# Altium PCB SectionD_v1.0.PcbDoc
Units mm, origin at the board's own origin, x right, y up, seen from the top; angles counter-clockwise.
Board outline 90.5 x 100 mm, 2 copper layers (Top Layer, Bottom Layer), stack 1.569 mm thick; 80 components, 93 nets, 364 pads, 110 vias.
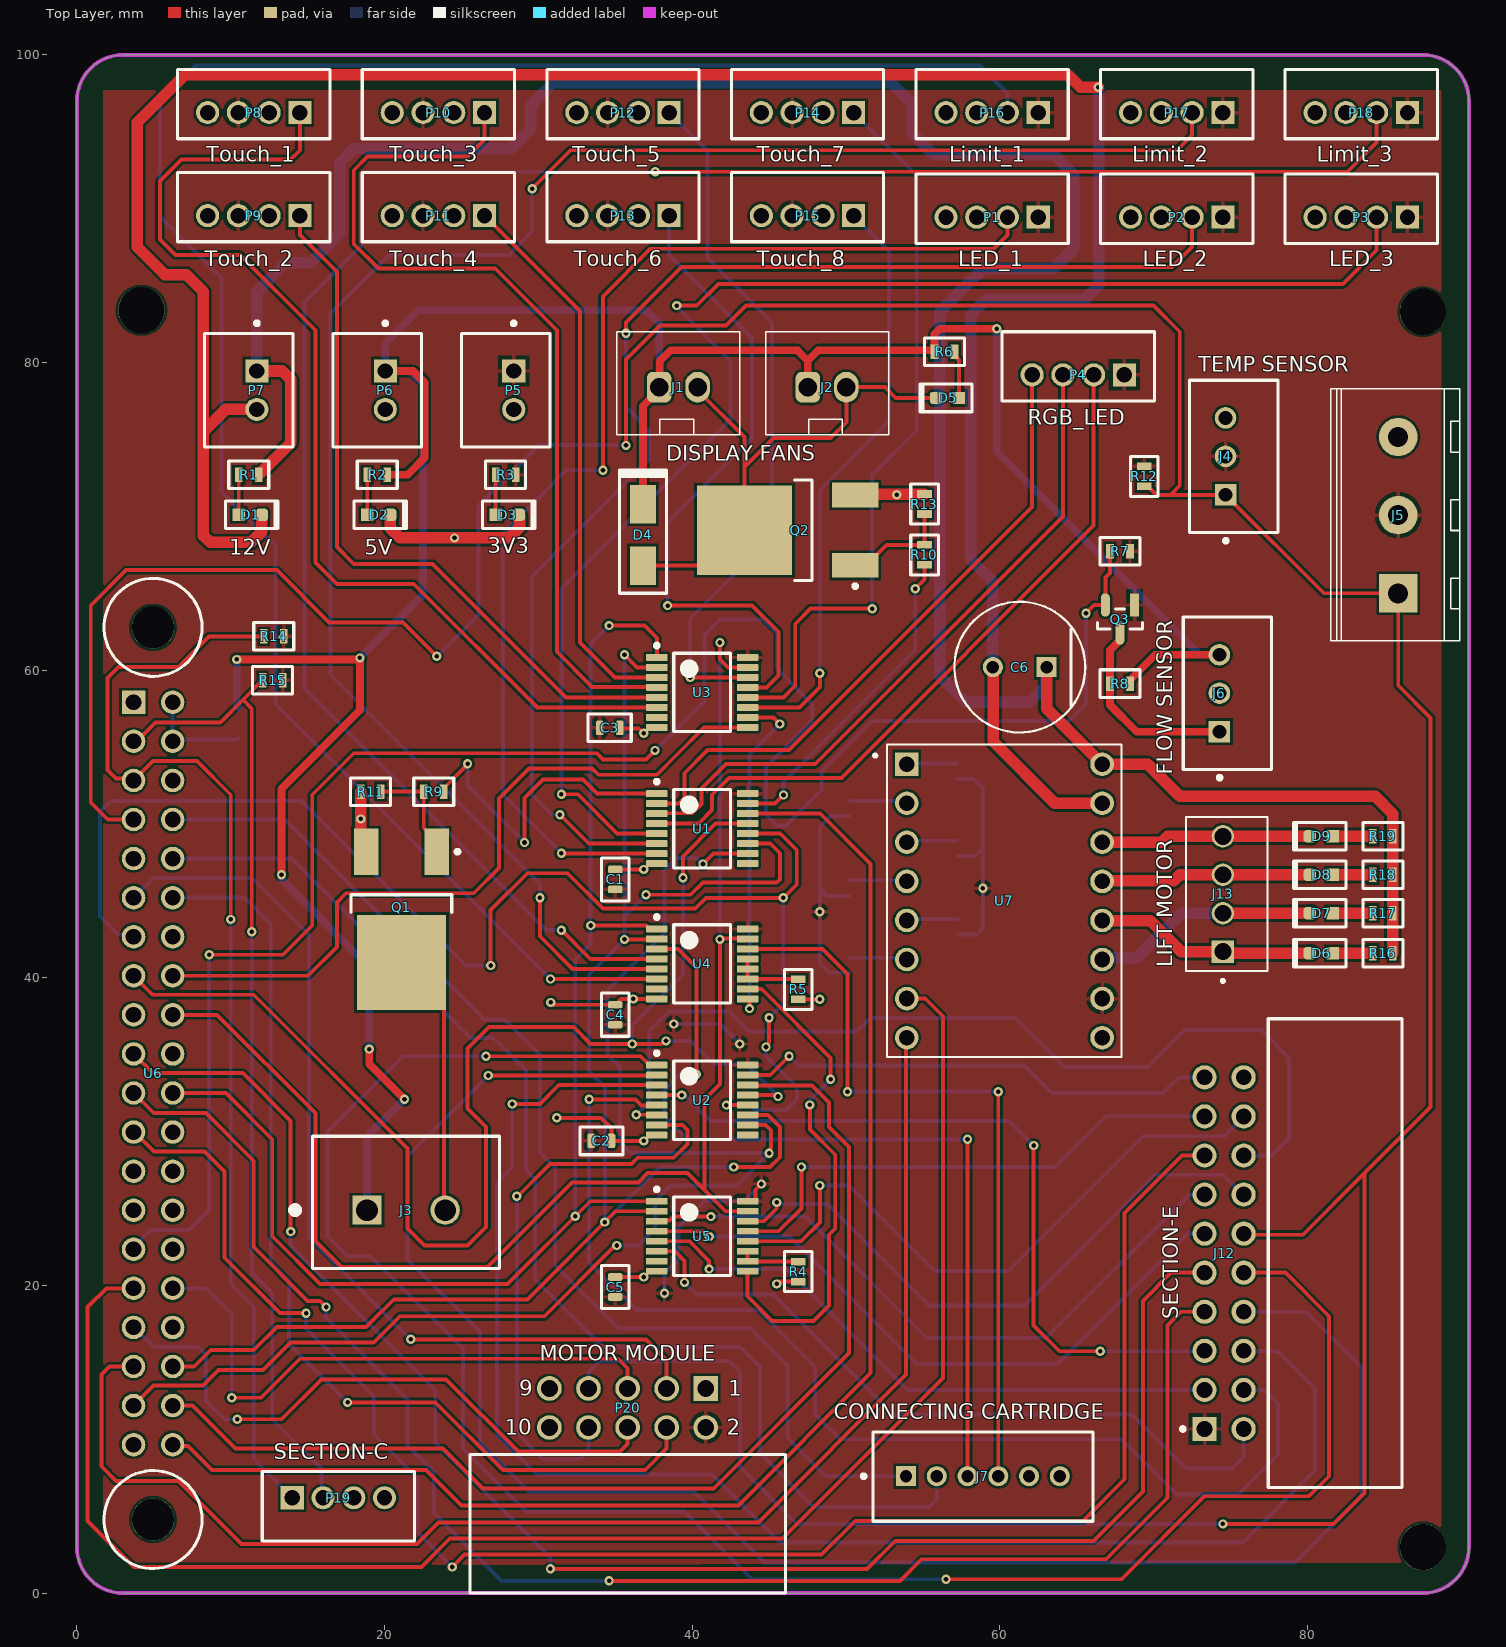
[diagram p0: Top Layer view]
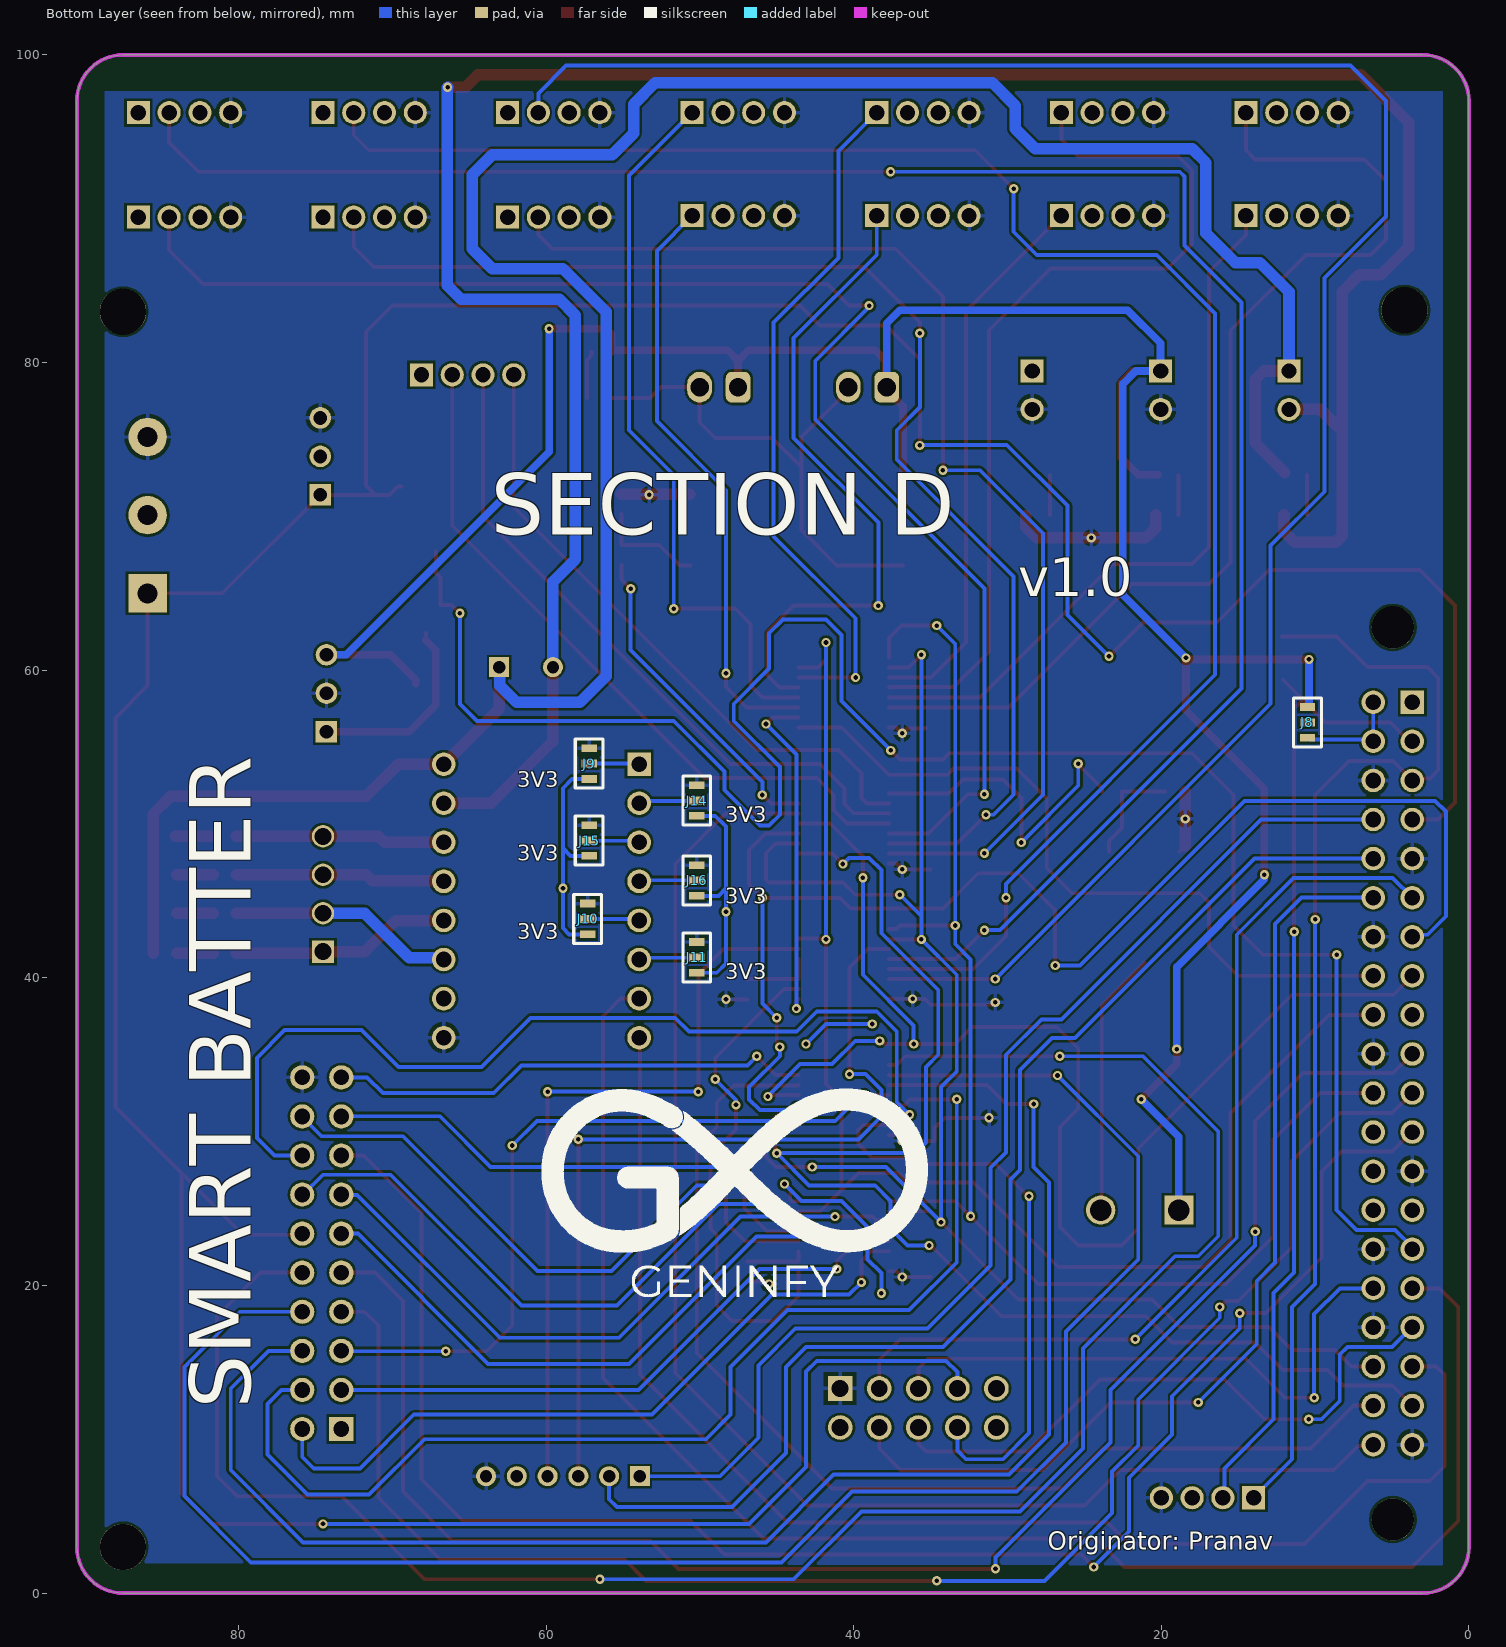
[diagram p1: Bottom Layer view, seen from below]

## Layer stack, top to bottom
Top Solder: solder mask 0.0254, SM-001, Dk 4
Top Layer: signal copper 0.035
Dielectric 1: core 1.4986, Core-043, Dk 4.3
Bottom Layer: signal copper 0.035
Bottom Solder: solder mask 0.0254, SM-001, Dk 4

## Board outline
0,3 0,97 cw(c3,97) 3,100 87.5,100 cw(c87.5,97) 90.5,97 90.5,3 cw(c87.5,3) 87.5,0 3,0 cw(c3,3)

## Design rules (kind name [scope] priority, off if disabled: settings)
Clearance [All] p1: gap=0.16 ignorepadtopadclearanceinfootprint=FALSE
HoleSize [All] p1: absolutevalues=TRUE maxlimit=4 minlimit=0.025 maxpercent=80.000 minpercent=20.000
MinimumSolderMaskSliver [All] p1: minsoldermaskwidth=0.16
PolygonConnect [All] p1: connectstyle=Relief reliefconductorwidth=0.254 reliefentries=4 polygonreliefangle="90 Angle" airgapwidth=0.254
RoutingVias [All] p1: holewidth=0.711 width=1.27 viastyle="Through Hole" minholewidth=0.711 minwidth=1.27 maxholewidth=0.711 maxwidth=1.27
SilkToSilkClearance [All] p1: silktosilkclearance=0.16
SilkToSolderMaskClearance [IsPad] p1: minsilkscreentomaskgap=0.16 clearancetoexposedcopper=TRUE
SolderMaskExpansion [All] p1: expansion=0.102 istentingtop=FALSE
Width [All] p1: maxlimit=2 minlimit=0.16 preferedwidth=0.254
26 further rules are at their usual default settings.

## Components (designator, comment, footprint, x,y, rotation, side; value= is the part's Value field where it differs from the comment)
C1 "0.1uF" "0.1uF 0603" 35,46.4 r270 top
C2 "0.1uF" "0.1uF 0603" 34.1,29.4 r180 top
C3 "0.1uF" "0.1uF 0603" 34.639,56.25 r180 top
C4 "0.1uF" "0.1uF 0603" 35,37.6 r270 top
C5 "0.1uF" "0.1uF 0603" 35,19.9 r270 top
C6 "EEU-FC1V221L" FP-EEU-FC1V221L-MFG 61.3,60.2 r180 top value=220uF
D1 "LED - Orange" LED0603-Orange 11.275,70.1 r180 top
D2 "LED - Orange" LED0603-Orange 19.625,70.1 r180 top
D3 "LED - Orange" LED0603-Orange 27.975,70.1 r180 top
D4 "1N4007" "M7 1N4007 SMA" 36.8,68.8 r90 top
D5 "LED - Orange" LED0603-Orange 56.6,77.7 r0 top
D6 "LED - Orange" LED0603-Orange 80.9,41.6 r0 top
D7 "LED - Orange" LED0603-Orange 80.9,44.2 r0 top
D8 "LED - Orange" LED0603-Orange 80.9,46.7 r0 top
D9 "LED - Orange" LED0603-Orange 80.9,49.2 r0 top
J1 "JST-XH 2P" "JST-XH 2P" 39.1,78.4 r180 top
J2 "JST-XH 2P" "JST-XH 2P" 48.771,78.4 r180 top
J3 "1755736" PHOE-1755736-2_V 21.4,24.9 r0 top
J4 "B3B-XH-A(LF)(SN)" FP-B3B-XH-A_LF_SN-MFG 75.2,73.9 r90 top
J5 "Screw Terminal" "Screw Terminal 3P 5.08MM" 85.9,70.08 r90 top
J6 "B3B-XH-A(LF)(SN)" FP-B3B-XH-A_LF_SN-MFG 74.8,58.5 r90 top
J7 "1735446-6" FP-1735446-6-MFG 58.9,7.57 r180 top
J8 "Solder Jumper" "SOLDER JUMPER" 10.5,56.6 r90 bottom
J9 "Solder Jumper" "SOLDER JUMPER" 57.2,53.927 r90 bottom
J10 "Solder Jumper" "SOLDER JUMPER" 57.3,43.827 r90 bottom
J11 "Solder Jumper" "SOLDER JUMPER" 50.2,41.327 r90 bottom
J12 "SFH11-PBPC-D10-RA-BK" FP-SFH11-PBPC-D10-RA-BK-MFG 81.7,22.1 r90 top
J13 "172732-4" TE_172732-4 74.5,41.7 r270 top
J14 "Solder Jumper" "SOLDER JUMPER" 50.2,51.527 r90 bottom
J15 "Solder Jumper" "SOLDER JUMPER" 57.2,48.927 r90 bottom
J16 "Solder Jumper" "SOLDER JUMPER" 50.2,46.327 r90 bottom
P1 "B4B-PH-K-S(LF)(SN)" JST-B4B-PH-K-S_V 59.5,90 r180 top
P2 "B4B-PH-K-S(LF)(SN)" JST-B4B-PH-K-S_V 71.5,90 r180 top
P3 "B4B-PH-K-S(LF)(SN)" JST-B4B-PH-K-S_V 83.5,90 r180 top
P4 "B4B-PH-K-S(LF)(SN)" JST-B4B-PH-K-S_V 65.1,79.75 r180 top
P5 "B2B-XH-A(LF)(SN)" JST-B2B-XH-A_V 28.4,78.2 r270 top
P6 "B2B-XH-A(LF)(SN)" JST-B2B-XH-A_V 20.05,78.2 r270 top
P7 "B2B-XH-A(LF)(SN)" JST-B2B-XH-A_V 11.7,78.2 r270 top
P8 "B4B-PH-K-S(LF)(SN)" JST-B4B-PH-K-S_V 11.5,96.8 r180 top
P9 "B4B-PH-K-S(LF)(SN)" JST-B4B-PH-K-S_V 11.5,90.1 r180 top
P10 "B4B-PH-K-S(LF)(SN)" JST-B4B-PH-K-S_V 23.5,96.8 r180 top
P11 "B4B-PH-K-S(LF)(SN)" JST-B4B-PH-K-S_V 23.5,90.1 r180 top
P12 "B4B-PH-K-S(LF)(SN)" JST-B4B-PH-K-S_V 35.5,96.8 r180 top
P13 "B4B-PH-K-S(LF)(SN)" JST-B4B-PH-K-S_V 35.5,90.1 r180 top
P14 "B4B-PH-K-S(LF)(SN)" JST-B4B-PH-K-S_V 47.5,96.8 r180 top
P15 "B4B-PH-K-S(LF)(SN)" JST-B4B-PH-K-S_V 47.5,90.1 r180 top
P16 "B4B-PH-K-S(LF)(SN)" JST-B4B-PH-K-S_V 59.5,96.8 r180 top
P17 "B4B-PH-K-S(LF)(SN)" JST-B4B-PH-K-S_V 71.5,96.8 r180 top
P18 "B4B-PH-K-S(LF)(SN)" JST-B4B-PH-K-S_V 83.5,96.8 r180 top
P19 "B4B-PH-K-S(LF)(SN)" JST-B4B-PH-K-S_V 17,5.65 r0 top
P20 "61201021721" 61201021721 35.8,4.5 r0 top
Q1 "NTD4805NT4G" ONSC-DPAK-3-369AA-01_V 21.1,43.8 r270 top
Q2 "NTD4805NT4G" ONSC-DPAK-3-369AA-01_V 46.2,69.1 r180 top
Q3 "BSS138" FP-318-08-IPC_B 67.812,63.326 r270 top
R1 "68R" "68R 0603" 11.175,72.7 r0 top
R2 "68R" "68R 0603" 19.525,72.7 r0 top
R3 "68R" "68R 0603" 27.875,72.7 r0 top
R4 "1k" "R0603 1k" 46.9,20.9 r90 top
R5 "1k" "R0603 1k" 46.9,39.25 r90 top
R6 "68R" "68R 0603" 56.4,80.7 r180 top
R7 "10k" "10k R0603" 67.812,67.726 r0 top
R8 "10k" "10k R0603" 67.812,59.126 r0 top
R9 "1k" "R0603 1k" 23.2,52.1 r180 top
R10 "1k" "R0603 1k" 55.1,67.5 r90 top
R11 "1k" "R0603 1k" 19.1,52.1 r180 top
R12 "4k7" "R0603 1k" 69.4,72.6 r270 top
R13 "1k" "R0603 1k" 55.1,70.8 r90 top
R14 "1k" "R0603 1k" 12.8,62.2 r0 top
R15 "1k" "R0603 1k" 12.726,59.353 r0 top
R16 "68R" "68R 0603" 84.9,41.6 r0 top
R17 "68R" "68R 0603" 84.9,44.2 r0 top
R18 "68R" "68R 0603" 84.9,46.7 r0 top
R19 "68R" "68R 0603" 84.9,49.2 r0 top
U1 "SN74HC595PWR" PW0016A_N 40.65,49.7 r0 top
U2 "SN74HC595PWR" PW0016A_N 40.65,32.05 r0 top
U3 "SN74HC165PWR" PW0016A_N 40.65,58.55 r0 top
U4 "SN74HC165PWR" PW0016A_N 40.65,40.9 r0 top
U5 "SN74HC165PWR" PW0016A_N 40.65,23.2 r0 top
U6 "RASPBERRY_PI_3_MODEL_B+" MODULE_RASPBERRY_PI_3_MODEL_B+ 3.683,57.912 r270 top
U7 "STEPPER_MOTOR_DRIVER_CARRIER" MODULE_A4988_STEPPER_MOTOR_DRIVER_CARRIER 60.3,45 r0 top

## Footprints (in the part's own frame and the unit in brackets; to place one, negate y for a bottom-side part, rotate by r counter-clockwise, add the part's x,y. Pads: shape width x height; smd on the part's side, far side on the other; paste and mask are expansions set on the pad)
"0.1uF 0603" [mm]
  rrect50% 0.5x0.95 smd: 1(-0.65,0) 2(0.65,0)
  silkscreen extent -1.4,-0.9 1.4,0.9, body extent -0.8,-0.4 0.8,0.4, height 0.8
"10k R0603" [mm]
  rect 0.5x0.95 smd: 1(-0.65,0) 2(0.65,0)
  silkscreen extent -1.3,-0.9 1.3,0.9, body extent -0.8,-0.4 0.8,0.4, height 0.45
"68R 0603" [mm]
  rect 0.5x0.95 smd: 1(-0.65,0) 2(0.65,0)
  silkscreen extent -1.3,-0.9 1.3,0.9, body extent -0.8,-0.4 0.8,0.4, height 0.45
61201021721 [mm] "10 pins, right angled, gold plating"
  rect 1.6x1.6 hole 1.1: 1(5.08,8.805)
  round 1.6 hole 1.1: 2(5.08,6.265) 3(2.54,8.805) 4(2.54,6.265) 5(0,8.805) 6(0,6.265) 7(-2.54,8.805) 8(-2.54,6.265) 9(-5.08,8.805) 10(-5.08,6.265)
  silkscreen extent -10.26,-4.5 10.26,4.5, body extent -10.18,-4.42 10.18,9.13, height 9.23
FP-318-08-IPC_B [mm]
  rect 1.524x0.578 smd paste+0 mask+0: 1(-0.91,0.95)
  rrect100% 1.524x0.578 smd paste+0 mask+0: 2(-0.91,-0.95) 3(0.91,0)
  silkscreen extent -0.65,-1.45 0.65,1.45, body extent -1.92,-1.7 1.92,1.7, height 0.25
FP-1735446-6-MFG [mm]
  rect 1.3x1.3 hole 0.8 paste-1000 mask+0: 1(5,-0.03)
  round 1.3 hole 0.8 paste-1000 mask+0: 2(3,-0.03) 3(1,-0.03) 4(-1,-0.03) 5(-3,-0.03) 6(-5,-0.03)
  silkscreen extent -7.15,-2.9 7.87,2.9, body extent -7.25,-3 7.25,3, height 0.25
FP-B3B-XH-A_LF_SN-MFG [mm]
  rect 1.4x1.4 hole 0.9 paste-1000 mask+0: 1(-2.5,0.525)
  round 1.4 hole 0.9 paste-1000 mask+0: 2(0,0.525) 3(2.5,0.525)
  silkscreen extent -5.61,-2.88 4.95,2.88, body extent -5.05,-2.98 5.05,2.98, height 0.25
FP-EEU-FC1V221L-MFG [mm]
  rect 1.3x1.3 hole 0.8 paste-1000 mask+0: 1(-1.75,0)
  round 1.3 hole 0.8 paste-1000 mask+0: 2(1.75,0)
  silkscreen extent -4.25,-4.25 4.25,4.25, body extent -4.35,-4.35 4.35,4.35, height 0.25
FP-SFH11-PBPC-D10-RA-BK-MFG [mm]
  rect 1.57x1.57 hole 1.02 paste-1000 mask+0: 1(-11.43,8.39)
  round 1.57 hole 1.02 paste-1000 mask+0: 2(-11.43,5.85) 3(-8.89,8.39) 4(-8.89,5.85) 5(-6.35,8.39) 6(-6.35,5.85) 7(-3.81,8.39) 8(-3.81,5.85) 9(-1.27,8.39) 10(-1.27,5.85) 11(1.27,8.39) 12(1.27,5.85) 13(3.81,8.39) 14(3.81,5.85) 15(6.35,8.39) 16(6.35,5.85) 17(8.89,8.39) 18(8.89,5.85) 19(11.43,8.39) 20(11.43,5.85)
  silkscreen extent -15.24,-4.45 15.24,9.92, body extent -15.34,-4.55 15.34,9.28, height 0.25
JST-B2B-XH-A_V [mm] "Header, 2-Leads, Body 7.4x5.75mm, Pitch 2.5mm"
  rect 1.5x1.5 hole 1: 1(-1.25,0)
  round 1.5 hole 1: 2(1.25,0)
  silkscreen extent -4.47,-3.4 3.7,2.35, body extent -3.7,-3.4 3.7,2.35, height 7
JST-B4B-PH-K-S_V [mm] "Connector, 4-Leads, Body 9.9x4.5mm, Pitch 2mm"
  rect 1.5x1.5 hole 1: 1(-3,0.55)
  round 1.5 hole 1: 2(-1,0.55) 3(1,0.55) 4(3,0.55)
  silkscreen extent -4.95,-2.25 4.95,2.25, body extent -4.95,-2.25 4.95,2.25, height 6
"JST-XH 2P" [mm]
  rrect50% 1.6x2 hole 1.2: 1(1.25,0)
  oval 1.6x2 hole 1.2: 2(-1.25,0)
  silkscreen extent -4,-3.6 4,3.1, body extent -3.7,-3.3 3.7,2.8, height 7.01
LED0603-Orange [mm]
  rrect50% 0.8x0.8 smd: 1(-0.75,0)
  rect 0.8x0.8 smd: 2(0.75,0)
  silkscreen extent -1.8,-0.9 1.6,1, body extent -0.8,-0.4 0.8,0.4, height 0.7
"M7 1N4007 SMA" [mm]
  rect 2.5x1.7 smd: 1(-2,0) 2(2,0)
  silkscreen extent -3.8,-1.6 4.2,1.52, body extent -2.6,-1.3 2.6,1.3, height 2.42
MODULE_A4988_STEPPER_MOTOR_DRIVER_CARRIER [mm]
  rect 1.53x1.53 hole 1.02: 1(-6.35,8.89)
  round 1.53 hole 1.02: 2(-6.35,6.35) 3(-6.35,3.81) 4(-6.35,1.27) 5(-6.35,-1.27) 6(-6.35,-3.81) 7(-6.35,-6.35) 8(-6.35,-8.89) 9(6.35,-8.89) 10(6.35,-6.35) 11(6.35,-3.81) 12(6.35,-1.27) 13(6.35,1.27) 14(6.35,3.81) 15(6.35,6.35) 16(6.35,8.89)
  silkscreen extent -8.5,-10.16 7.62,10.16
MODULE_RASPBERRY_PI_3_MODEL_B+ [mil]
  rect 60x60 hole 40: 1(0,0)
  round 60 hole 40: 2(0,100) 3(100,0) 4(100,100) 5(200,0) 6(200,100) 7(300,0) 8(300,100) 9(400,0) 10(400,100) 11(500,0) 12(500,100) 13(600,0) 14(600,100) 15(700,0) 16(700,100) 17(800,0) 18(800,100) 19(900,0) 20(900,100) 21(1000,0) 22(1000,100) 23(1100,0) 24(1100,100) 25(1200,0) 26(1200,100) 27(1300,0) 28(1300,100) 29(1400,0) 30(1400,100) 31(1500,0) 32(1500,100) 33(1600,0) 34(1600,100) 35(1700,0) 36(1700,100) 37(1800,0) 38(1800,100) 39(1900,0) 40(1900,100)
  round 108.27 hole 108.27 unplated: S1(-191.73,50) S2(2091.73,50)
  silkscreen extent -317,-75 2217,175, body extent -318,-2067 3121,189, height 286
ONSC-DPAK-3-369AA-01_V [mm] "DPAK, 3-Leads, Body 6.54x6.095mm, Pitch 2.29mm"
  rect 3x1.6 smd: 1(-4.4,2.29) 3(-4.4,-2.29)
  rect 6.2x5.8 smd: 4(2.8,0)
  silkscreen extent -4.52,-3.27 -0.45,3.77, body extent -1.6,-3.27 4.49,3.27, height 2.47
PHOE-1755736-2_V [mm] "THD, 2-Leads, Body 12.16x8.6mm, Pitch 5.08mm"
  rect 1.9x1.9 hole 1.4: 1(-2.54,0)
  round 1.9 hole 1.4: 2(2.54,0)
  silkscreen extent -7.42,-3.8 6.08,4.8, body extent -6.08,-3.8 6.08,4.8, height 12
PW0016A_N [mm] "SOP, 16-Leads, Body 5.1x4.5mm, Pitch 0.65mm, IPC Medium Density"
  rrect22% 1.4x0.45 smd: 1(-2.95,2.275) 2(-2.95,1.625) 3(-2.95,0.975) 4(-2.95,0.325) 5(-2.95,-0.325) 6(-2.95,-0.975) 7(-2.95,-1.625) 8(-2.95,-2.275) 9(2.95,-2.275) 10(2.95,-1.625) 11(2.95,-0.975) 12(2.95,-0.325) 13(2.95,0.325) 14(2.95,0.975) 15(2.95,1.625) 16(2.95,2.275)
  silkscreen extent -3.07,-2.55 1.85,3.17, body extent -3.21,-2.5 3.21,2.5, height 1
"R0603 1k" [mm]
  rect 0.5x0.95 smd: 1(-0.65,0) 2(0.65,0)
  silkscreen extent -1.3,-0.9 1.3,0.89, body extent -0.8,-0.4 0.8,0.4, height 0.45
"Screw Terminal 3P 5.08MM" [mm]
  rect 2.5x2.5 hole 1.3: 1(-5.08,0)
  round 2.5 hole 1.3: 2(0,0) 3(5.08,0)
  silkscreen extent -8.18,-4 8.22,4.4, body extent -8.12,-3.8 8.12,4.2, height 10.01
"SOLDER JUMPER" [mm]
  rect 0.5x1 smd: 1(-1,0) 2(0,0) 3(1,0)
  silkscreen extent -1.6,-0.9 1.6,0.9
TE_172732-4 [mm]
  rect 1.45x1.45 hole 1.1: 1(0,0)
  round 1.45 hole 1.1: 2(-2.5,0) 3(-5,0) 4(-7.5,0)
  silkscreen extent -8.75,-2.4 2,2.9

## Part data
C1 C2 C3 C4 C5: library part C0603C104M4RACTU, "CAP CER 0.1UF 16V X7R 0603", Capacitance=100nF, Case Code (Imperial)=0603, Case Code (Metric)=1608, Dielectric=X7R, Dielectric Material=Ceramic, Manufacturer=KEMET, Max Operating Temperature=125°C, Min Operating Temperature=-55°C, Package Quantity=1, Supplier Part Number 1=399-1099-1-ND, Tolerance=20%, Voltage Rating=16V, Case/Package=0603, Category="Ceramic Capacitors", ComponentLink1Description=https://datasheet.ciiva.com/18102/getdatasheetpartid-66190-18102310.pdf?src-supplier=Verical, ComponentLink1URL=https://datasheet.ciiva.com/18102/getdatasheetpartid-66190-18102310.pdf?src-supplier=Verical, ComponentLink2Description=https://datasheet.ciiva.com/7823/kem-c1002-x7r-smd-7823992.pdf?src-supplier=Element14, ComponentLink2URL=https://datasheet.ciiva.com/7823/kem-c1002-x7r-smd-7823992.pdf?src-supplier=Element14, ComponentLink3Description=https://datasheet.ciiva.com/7823/kem-c1002-x7r-smd-7823993.pdf?src-supplier=Element14, ComponentLink3URL=https://datasheet.ciiva.com/7823/kem-c1002-x7r-smd-7823993.pdf?src-supplier=Element14, ComponentLink4Description=https://datasheet.ciiva.com/14589/70095383-14589450.pdf?src-supplier=Allied+Electronics, ComponentLink4URL=https://datasheet.ciiva.com/14589/70095383-14589450.pdf?src-supplier=Allied+Electronics, ComponentLink5Description=https://datasheet.ciiva.com/18192/getdatasheetpartid-302288-18192716.pdf?src-supplier=Verical, ComponentLink5URL=https://datasheet.ciiva.com/18192/getdatasheetpartid-302288-18192716.pdf?src-supplier=Verical, Depth=0.8mm, Height=0.8mm, Lead Pitch=0.7mm, Length=1.6mm, Manufacturer Part Number=C0603C104M4RACTU, Mount="Surface Mount,PCB", Number of Pins=2, Packaging="Tape and Reel", Pricing 1="1=0.10000, 10=0.03100, 50=0.01720, 100=0.01400, 500=0.01002, 1000=0.00787 (USD)", Radiation Hardening=No, REACH SVHC="No SVHC", RoHS=Yes, Stock 1=114153, Supplier 1=Digi-Key, Termination=SMD/SMT, Thickness=0.034inch, Voltage Rating (DC)=16V, Width=0.031inch
C6: library part CMP-05427-000010-1, "CAP ALUM 220UF 20% 35V RADIAL", Capacitance=220uF, Leakage Current=77uA, Manufacturer="Panasonic Electronic Components", Package=0, Ripple Current=730mA, Temperature="-55°C to +105°C", Temperature Range High=+105°C, Temperature Range Low=-55°C, Tolerance=20%, Voltage Rating=35V, Automotive=Yes, Automotive Grade="Grade 2", Category=Cap, ComponentLink2Description=Datasheet, ComponentLink2URL=https://industrial.panasonic.com/cdbs/www-data/pdf/RDF0000/ABA0000C1209.pdf, Device Class L1="Passive Components", Device Class L2=Capacitors, Device Class L3="Aluminum Electrolytic Capacitors", Digikey Description="CAP ALUM 220UF 20% 35V RADIAL", Dissipation Factor=12%, Esr=0.085Ω, Height=16.5mm, Lead Free=Yes, Life=2000Hours, Manufacturer Part Number=EEU-FC1V221L, Material=Aluminum, Mouser Description="Capacitor; Aluminum Electrolytic; Fc Radial Elec Cap 220uF 35V", Octopart=https://octopart.com/eeu-fc1v221l-panasonic-39478519, RoHS=TRUE
D1 D2 D3 D5 D6 D7 D8 D9: library part LTST-C191KFKT, "LED ORANGE CLEAR SMD", Case Code (Imperial)=0603, Case Code (Metric)=1608, Color=Orange, Forward Current=30mA, Forward Voltage=2V, Lens Color=Colorless, Manufacturer="Vishay Lite-On", Max Operating Temperature=85°C, Min Operating Temperature=-55°C, Package Quantity=1, Power Dissipation=75mW, Reverse Voltage=5V, Supplier Part Number 1=160-1445-1-ND, Test Current=20mA, Case/Package=0603, Category=LEDs, ComponentLink1Description=https://datasheet.ciiva.com/2109/ltst-c191kfkt-2109968.pdf?src-supplier=Digi-Key, ComponentLink1URL=https://datasheet.ciiva.com/2109/ltst-c191kfkt-2109968.pdf?src-supplier=Digi-Key, ComponentLink2Description=https://datasheet.ciiva.com/12400/100-ltst-c191kfkt-39904-12400811.pdf?src-supplier=Mouser, ComponentLink2URL=https://datasheet.ciiva.com/12400/100-ltst-c191kfkt-39904-12400811.pdf?src-supplier=Mouser, ComponentLink3Description=https://datasheet.ciiva.com/11775/0900766b80dc02b0-11775613.pdf?src-supplier=RSComponents, ComponentLink3URL=https://datasheet.ciiva.com/11775/0900766b80dc02b0-11775613.pdf?src-supplier=RSComponents, ComponentLink4Description=https://datasheet.ciiva.com/15201/getdatasheetpartid-631075-15201391.pdf?src-supplier=Verical, ComponentLink4URL=https://datasheet.ciiva.com/15201/getdatasheetpartid-631075-15201391.pdf?src-supplier=Verical, ComponentLink5Description=https://datasheet.ciiva.com/2109/s-110-ltst-c191kfkt-2109969.pdf?src-supplier=Digi-Key, ComponentLink5URL=https://datasheet.ciiva.com/2109/s-110-ltst-c191kfkt-2109969.pdf?src-supplier=Digi-Key, Depth=0.8mm, Dominant Wavelength=605nm, Height=0.55mm, Illumination Color=Orange, Lead Free="Lead Free", Length=1.6mm, Lens Style=Diffused,Colorless,Rectangular, Lens Transparency=Clear, Luminous Intensity=90mcd, Manufacturer Part Number=LTST-C191KFKT, Mount="Surface Mount", Number of Elements=1, Number of LEDs=1, Number of Pins=2, Packaging="Tape and Reel", Power Rating=75mW, Pricing 1="1=0.24000, 10=0.17900, 100=0.08460, 500=0.05640, 1000=0.04418, 2500=0.04324 (USD)", Radiation Hardening=No, RoHS=Yes, Stock 1=92562, Supplier 1=Digi-Key, Viewing Angle=130°, Wavelength=611nm, Width=0.8mm
D4: library part 1N4007FLTR, "1000V 1A Rectifier", Manufacturer="Sangdest Microelectronics", Supplier Part Number 1=1655-1N4007FLCT-ND, Manufacturer Part Number=1N4007FLTR, Pricing 1="1=0.10000, 10=0.06600, 100=0.03120, 500=0.01848, 1000=0.01241 (USD)", RoHS=No, Stock 1=2517, Supplier 1=Digi-Key
J1 J2: library part B2B-XH-A(LF)(SN), "JST-XH 2 POS 2.5mm Solder ST Thru-Hole Box", Color=Natural, Contact Resistance=20mR, Current Rating=3A, Housing Color=White, Insulation Resistance=1GR, Manufacturer=JST, Max Operating Temperature=85°C, Max Voltage Rating (AC)=250V, Min Operating Temperature=-25°C, Supplier Part Number 1=1516276, Category="FFC / FPC", ComponentLink1Description=https://datasheet.ciiva.com/26894/getdatasheetpartid-640357-26894434.pdf?src-supplier=Verical, ComponentLink1URL=https://datasheet.ciiva.com/26894/getdatasheetpartid-640357-26894434.pdf?src-supplier=Verical, ComponentLink2Description=https://datasheet.ciiva.com/11746/0900766b8082653e-11746979.pdf?src-supplier=RSComponents, ComponentLink2URL=https://datasheet.ciiva.com/11746/0900766b8082653e-11746979.pdf?src-supplier=RSComponents, ComponentLink3Description=https://datasheet.ciiva.com/26894/getdatasheetpartid-385291-26894760.pdf?src-supplier=Verical, ComponentLink3URL=https://datasheet.ciiva.com/26894/getdatasheetpartid-385291-26894760.pdf?src-supplier=Verical, ComponentLink4Description=https://datasheet.ciiva.com/8052/5448-8052024.pdf?src-supplier=Element14, ComponentLink4URL=https://datasheet.ciiva.com/8052/5448-8052024.pdf?src-supplier=Element14, ComponentLink5Description=https://datasheet.ciiva.com/20207/523653-20207167.pdf?src-supplier=Rapid+Electronics, ComponentLink5URL=https://datasheet.ciiva.com/20207/523653-20207167.pdf?src-supplier=Rapid+Electronics, Connector Type="Male Pin", Contact Material=Brass, Contact Plating=Tin,Copper,Lead, Depth=5.75mm, Fastening Type=Detent, Housing Material=Polyamide, Lead Free="Lead Free", Lead Pitch=2.5mm, Length=7.4mm, Manufacturer Part Number=B2B-XH-A(LF)(SN), Max Current Rating=3A, Max Voltage Rating (DC)=250V, Mount="Through Hole", Number of Contacts=2, Number of Positions=2, Number Of Rows=1, Orientation=Straight, Packaging=Bulk, Pitch=2.5mm, REACH SVHC="No SVHC", RoHS=Yes, Stock 1=165899, Supplier 1=Element14, Termination=Solder, Voltage Rating=250V, Voltage Rating (AC)=250V, Wire/Cable Gauge=22AWG
J3: library part CMP-2000-05300-1, "Male Header, Pitch 5.08 mm, 1 x 2 Postion, Height 12 mm, Tail Length 3.9 mm, RoHS, Bulk", Colour=Green, Manufacturer="Phoenix Contact", Content=250pc(s), Datasheet URL=http://www.mouser.com/ds/2/324/ItemDetail_1755736-921028.pdf, Datasheet Version=Apr-16, Industrial packaging=Yes, Manufacturer part No.=1755736, Manufacturer URL=http://www.phoenixcontact.com/, Number of Contacts=2, Pitch=5.08mm, Type=MSTBVA2,5/2-G-5,08
J4 J6: library part CMP-17439-000014-1, "CONN HEADER VERT 3POS 2.5MM", Current Rating=3A, Manufacturer=JST, Package=0, Temperature="-25°C to +85°C", Temperature Range High=+85°C, Temperature Range Low=-25°C, Voltage Rating=250V, Automotive=No, Category=Conn, ComponentLink2Description=Datasheet, ComponentLink2URL=https://www.jst-mfg.com/product/pdf/eng/eXH.pdf, Conn Gender=Male, Conn Orientation=Vertical, Contact Material=Tin,Copper, Device Class L1=Connectors, Device Class L2="Headers and Wire Housings", Device Class L3=unset, Digikey Description="CONN HEADER VERT 3POS 2.5MM", Height=7mm, Lead Free=Yes, Manufacturer Part Number=B3B-XH-A(LF)(SN), Number of Contacts=3, Number Of Rows=1, Octopart=https://octopart.com/b3b-xh-a%28lf%29%28sn%29-jst-3990185, Pitch=2.5mm, RoHS=TRUE
J5: library part OSTTC032162, "TERM BLK 3P SIDE ENT 5.08MM PCB", Color=Blue, Current=15A, Flammability Rating="UL94 V-0", Manufacturer="On-Shore Technology", Max Operating Temperature=105°C, Min Operating Temperature=-30°C, Supplier Part Number 1=ED2610-ND, Voltage=300V, Category="Terminal Blocks", ComponentLink1Description=https://datasheet.ciiva.com/823/osttcxx2162-823568.pdf?src-supplier=Digi-Key, ComponentLink1URL=https://datasheet.ciiva.com/823/osttcxx2162-823568.pdf?src-supplier=Digi-Key, ComponentLink2Description=https://datasheet.ciiva.com/19458/2120655-19458972.pdf?src-supplier=Jameco, ComponentLink2URL=https://datasheet.ciiva.com/19458/2120655-19458972.pdf?src-supplier=Jameco, Contact Material=Brass, Contact Plating=Tin, Height=10mm, Housing Color=Blue, Housing Material=Thermoplastic, Lead Free="Lead Free", Length=15.2mm, Manufacturer Part Number=OSTTC032162, Max Current Rating=15A, Mount="Through Hole", Number of Contacts=3, Number of Levels=1, Number of Positions=3, Number of Positions Per Level=3, Number Of Rows=1, Packaging=Bulk, Pitch=0.2inch, Plating=Steel, Pricing 1="1=0.85000, 10=0.53000, 25=0.45400, 50=0.40800, 100=0.39950, 250=0.34000, 500=0.32300, 1000=0.28900, 5000=0.22610 (USD)", RoHS=Yes, Stock 1=3645, Supplier 1=Digi-Key, Termination=Screw, Width=7.6mm, Wire Gauge (Max)=22AWG, Wire Gauge (Min)=14AWG
J7: library part CMP-03369-000087-1, "CONN HEADER VERT 6POS 2MM", Current Rating=3A, Manufacturer=TE, Temperature="-25°C to +85°C", Temperature Range High=+85°C, Temperature Range Low=-25°C, Voltage Rating=100V, Automotive=No, Category=Conn, ComponentLink2Description=Datasheet, ComponentLink2URL=https://www.te.com/usa-en/product-1735446-6.html, Conn Gender=Male, Conn Orientation=Vertical, Contact Material=Tin,Nickel, Device Class L1=Connectors, Device Class L2="Headers and Wire Housings", Device Class L3=unset, Digikey Description="CONN HEADER VERT 6POS 2MM", Height=6.37mm, Lead Free=Yes, Manufacturer Part Number=1735446-6, Mouser Description="Headers & Wire Housings 6 POS HDR VERT 2.0mm", Number of Contacts=6, Number Of Rows=1, Octopart=https://octopart.com/1735446-6-te+connectivity-42205942, Package=1735446-6, Pitch=2mm, RoHS=TRUE
J12: library part CMP-25680-000003-1, "CONN HDR 20POS 0.1 GOLD PCB R/A", Current Rating=3A, Manufacturer=Sullins, Temperature="-40°C to +105°C", Temperature Range High=+105°C, Temperature Range Low=-40°C, Automotive=No, Category=Conn, ComponentLink2Description=Datasheet, ComponentLink2URL=https://s3.amazonaws.com/catalogspreads-pdf/PAGE123%20.100%20SFH11%20SERIES%20FEMALE%20HDR%20ST%20RA.pdf, Conn Gender=Female, Conn Orientation="Right Angle", Contact Material=Gold,Nickel, Device Class L1=Connectors, Device Class L2="Headers and Wire Housings", Device Class L3=unset, Digikey Description="CONN HDR 20POS 0.1 GOLD PCB R/A", Footprint Url=https://drawings-pdf.s3.amazonaws.com/11161.pdf, Height=7.2mm, Is Female=yes, Lead Free=Yes, Manufacturer Part Number=SFH11-PBPC-D10-RA-BK, Number of Contacts=20, Number Of Rows=2, Octopart=https://octopart.com/sfh11-pbpc-d10-ra-bk-sullins-12270496, Package=SFH11-PBPC-D10-RA-BK, Pitch=2.54mm, RoHS=TRUE
J13: "EIS POST HDR WITH KINK 10P", Package=None, Availability=Unavailable, MP=172732-4, Price=None
P1 P2 P3 P4 P8 P9 P10 P11 P12 P13 P14 P15 P16 P17 P18 P19: library part CMP-2000-05165-1, "Male Header, Pitch 2 mm, 1 x 4 Position, Height 6 mm, Tail Length 3.4 mm, -25 to 85 degC, RoHS, Bulk", Manufacturer=JST, Datasheet URL=http://datasheet.octopart.com/B4B-PH-K-S%28LF%29%28SN%29-JST-datasheet-10558886.pdf, Datasheet Version=Apr-09, Manufacturer URL=http://www.jst.com/home2.html, No of Positions=4, Pitch=2mm, Style/Orientation=StraightHeader/Plug, Termination=Crimp, Type=ShroudedHeader
P5 P6 P7: library part CMP-2000-05888-1, "Male Header, Pitch 2.5 mm, 1 x 2 Position, Height 7 mm, Tail Length 3.4 mm, -25 to 85 degC, RoHS, Bulk", Manufacturer=JST, Package Description="Male Header, Pitch 2.5 mm, 1 x 2 Position, Height 7 mm, Tail Length 3.4 mm", Package Reference=B2B-XH-A, Datasheet URL=http://www.jst-mfg.com/product/pdf/eng/eXH.pdf, Datasheet Version=05/2016, Manufacturer URL=http://www.jst.com/home2.html, Mounting Technology=ThroughHole, No of Positions=2, Pitch=2.5mm, Style/Orientation=StraightHeader/Plug, Termination=Crimp, Type=ShroudedHeader
P20: library part CMP-1502-00021-1, "Male Box Header WR-BHD, THT, Angled, pitch 2.54 mm, 10 pins", Contact Resistance=20mOhm, Manufacturer="Wurth Elektronik", Operating Temperature=-40to125degC, Withstanding Voltage=500VAC, Working Voltage=250VAC, Datasheet URL=https://katalog.we-online.de/em/datasheet/6120xx21721.pdf, Gender=Male, Manufacturer URL=http://www.we-online.de, Mounting Technology=THT, Orientation=Angled, Package Reference=61201021721, Packaging=Tray, Part Number=61201021721, Pin Number=10, Pitch=2.54mm, Published Date=August2018, Publisher=WurthElektronik
Q1 Q2: library part CMP-1058-00313-1, "Power MOSFET, 30 V, 88 A, Single N-Channel, 3-Pin DPAK, Pb-Free, Tape and Reel", Manufacturer="On Semiconductor", Package Type="DPAK-3, IPAK-4", Channel Polarity="N Channel", Ciss Typ (pF)=2865, ComponentLink1Description="Manufacturer URL", ComponentLink1URL=http://www.onsemi.com/, ComponentLink2Description=Datasheet, ComponentLink2URL=http://www.onsemi.cn/pub_link/Collateral/NTD4805N-D.PDF, ComponentLink3Description="Package Specification", ComponentLink3URL=http://www.onsemi.cn/pub_link/Collateral/369AA.PDF, Configuration=Single, Coss Typ (pF)=610, Crss Typ (pF)=338, DatasheetVersion="Rev. 7", ID Max (A)=88, Mounting Technology="Surface Mount", PackageDescription="3-Pin Flange Mount, Body 6.54 x 6.095 mm, Pitch 2.29 mm", PackageReference=DPAK-3-369AA-01, PackageVersion="Rev. B, 06/2010", Packing="Tape and Reel", PartNumber=NTD4805NT4G, Qrr Typ (nC)=18, RoHS=Pb-Free, V(BR)DSS Min (V)=30, VGS Max (V)=20, VGS(th) Max (V)=2.5
Q3: library part CMP-07173-000101-1, "MOSFET N-CH 50V 220MA SOT-23", Case/Package=SOT-23, Continuous Drain Current (ID)=220mA, Drain to Source Breakdown Voltage=50V, Drain to Source Resistance=3.5R, Gate to Source Voltage (Vgs)=20V, Input Capacitance=27pF, Max Operating Temperature=150°C, Max Power Dissipation=360mW, Min Operating Temperature=-55°C, On-State Resistance=6R, Package Quantity=1, Threshold Voltage=1.3V, Contact Plating=Tin, Current Rating=220mA, Drain to Source Voltage (Vdss)=50V, Dual Supply Voltage=50V, Element Configuration=Single, Fall Time=9ns, Height=0.93mm, Lead Free="Lead Free", Length=2.92mm, Mount="Surface Mount", Nominal Vgs=1.3V, Number of Elements=1, Number of Pins=3, Packaging="Tape and Reel", Power Dissipation=360mW, Radiation Hardening=No, Rds On Max=3.5R, REACH SVHC="No SVHC", Rise Time=9ns, Termination=SMD/SMT, Turn-Off Delay Time=20ns, Turn-On Delay Time=2.5ns, Voltage Rating (DC)=50V, Weight=0.03g, Width=1.3mm
R1 R2 R3 R6 R16 R17 R18 R19: library part CRGP0603F68R, "CRGP 0603 68R 1%", Case Code (Imperial)=0603, Case Code (Metric)=1608, Manufacturer="TE Connectivity", Max Operating Temperature=155°C, Max Power Dissipation=250mW, Min Operating Temperature=-55°C, Resistor Type="Thick Film", Supplier Part Number 1=A130402CT-ND, Temperature Coefficient=200ppm/°C, Tolerance=1%, Case/Package=0603, Category="Chip SMD Resistors", ComponentLink1Description=https://www.te.com/commerce/DocumentDelivery/DDEController?Action=srchrtrv&amp;DocNm=9-1773463-9&amp;DocType=DS&amp;DocLang=English&src-supplier=Digi-Key, ComponentLink1URL=https://www.te.com/commerce/DocumentDelivery/DDEController?Action=srchrtrv&amp;DocNm=9-1773463-9&amp;DocType=DS&amp;DocLang=English&src-supplier=Digi-Key, Manufacturer Part Number=CRGP0603F68R, Number of Terminations=2, Packaging="Tape and Reel", Pricing 1="1=0.14000, 10=0.11400, 100=0.04470, 1000=0.01870, 2500=0.01714 (USD)", Resistance=68R, RoHS=No, Stock 1=49308, Supplier 1=Digi-Key
R4 R5 R9 R10 R11 R12 R13 R14 R15: library part CRGCQ0603F1K0, "0603 1k Ohm 1% 1/10W", Case Code (Imperial)=0603, Case Code (Metric)=1608, Manufacturer="TE Connectivity", Max Operating Temperature=155°C, Max Power Dissipation=100mW, Min Operating Temperature=-55°C, Resistance=1kR, Resistor Type="Thick Film", Supplier Part Number 1=A129688CT-ND, Temperature Coefficient=100ppm/°C, Tolerance=1%, Case/Package=0603, Category="Chip SMD Resistors", ComponentLink1Description=https://www.te.com/commerce/DocumentDelivery/DDEController?Action=srchrtrv&DocNm=1773204-3&DocType=DS&DocLang=English&src-supplier=Digi-Key, ComponentLink1URL=https://www.te.com/commerce/DocumentDelivery/DDEController?Action=srchrtrv&DocNm=1773204-3&DocType=DS&DocLang=English&src-supplier=Digi-Key, ComponentLink2Description=https://4donline.ihs.com/images/VipMasterIC/IC/TYEL/TYEL-S-A0004929575/TYEL-S-A0004929575-1.pdf?hkey=52A5661711E402568146F3353EA87419&src-supplier=Farnell, ComponentLink2URL=https://4donline.ihs.com/images/VipMasterIC/IC/TYEL/TYEL-S-A0004929575/TYEL-S-A0004929575-1.pdf?hkey=52A5661711E402568146F3353EA87419&src-supplier=Farnell, ComponentLink3Description=https://www.te.com/commerce/DocumentDelivery/DDEController?Action=srchrtrv&amp;DocNm=1773204-3&amp;DocType=DS&amp;DocLang=English&src-supplier=Digi-Key, ComponentLink3URL=https://www.te.com/commerce/DocumentDelivery/DDEController?Action=srchrtrv&amp;DocNm=1773204-3&amp;DocType=DS&amp;DocLang=English&src-supplier=Digi-Key, ComponentLink4Description=https://4donline.ihs.com/images/VipMasterIC/IC/TYEL/TYEL-S-A0004929575/TYEL-S-A0004929575-1.pdf?hkey=52A5661711E402568146F3353EA87419&src-supplier=Element14, ComponentLink4URL=https://4donline.ihs.com/images/VipMasterIC/IC/TYEL/TYEL-S-A0004929575/TYEL-S-A0004929575-1.pdf?hkey=52A5661711E402568146F3353EA87419&src-supplier=Element14, ComponentLink5Description=https://4donline.ihs.com/images/VipMasterIC/IC/TYEL/TYEL-S-A0004929575/TYEL-S-A0004929575-1.pdf?hkey=52A5661711E402568146F3353EA87419&src-supplier=Newark, ComponentLink5URL=https://4donline.ihs.com/images/VipMasterIC/IC/TYEL/TYEL-S-A0004929575/TYEL-S-A0004929575-1.pdf?hkey=52A5661711E402568146F3353EA87419&src-supplier=Newark, Features="Moisture Resistant,Automotive AEC-Q200", Manufacturer Part Number=CRGCQ0603F1K0, Number of Terminations=2, Packaging="Cut Tape", Pricing 1="1=0.10000, 10=0.02700, 100=0.01090, 1000=0.00490, 2500=0.00426 (USD)", RoHS=No, Stock 1=37973, Supplier 1=Digi-Key